# Altium PCB 学习型红外转发器.PcbDoc (continued)
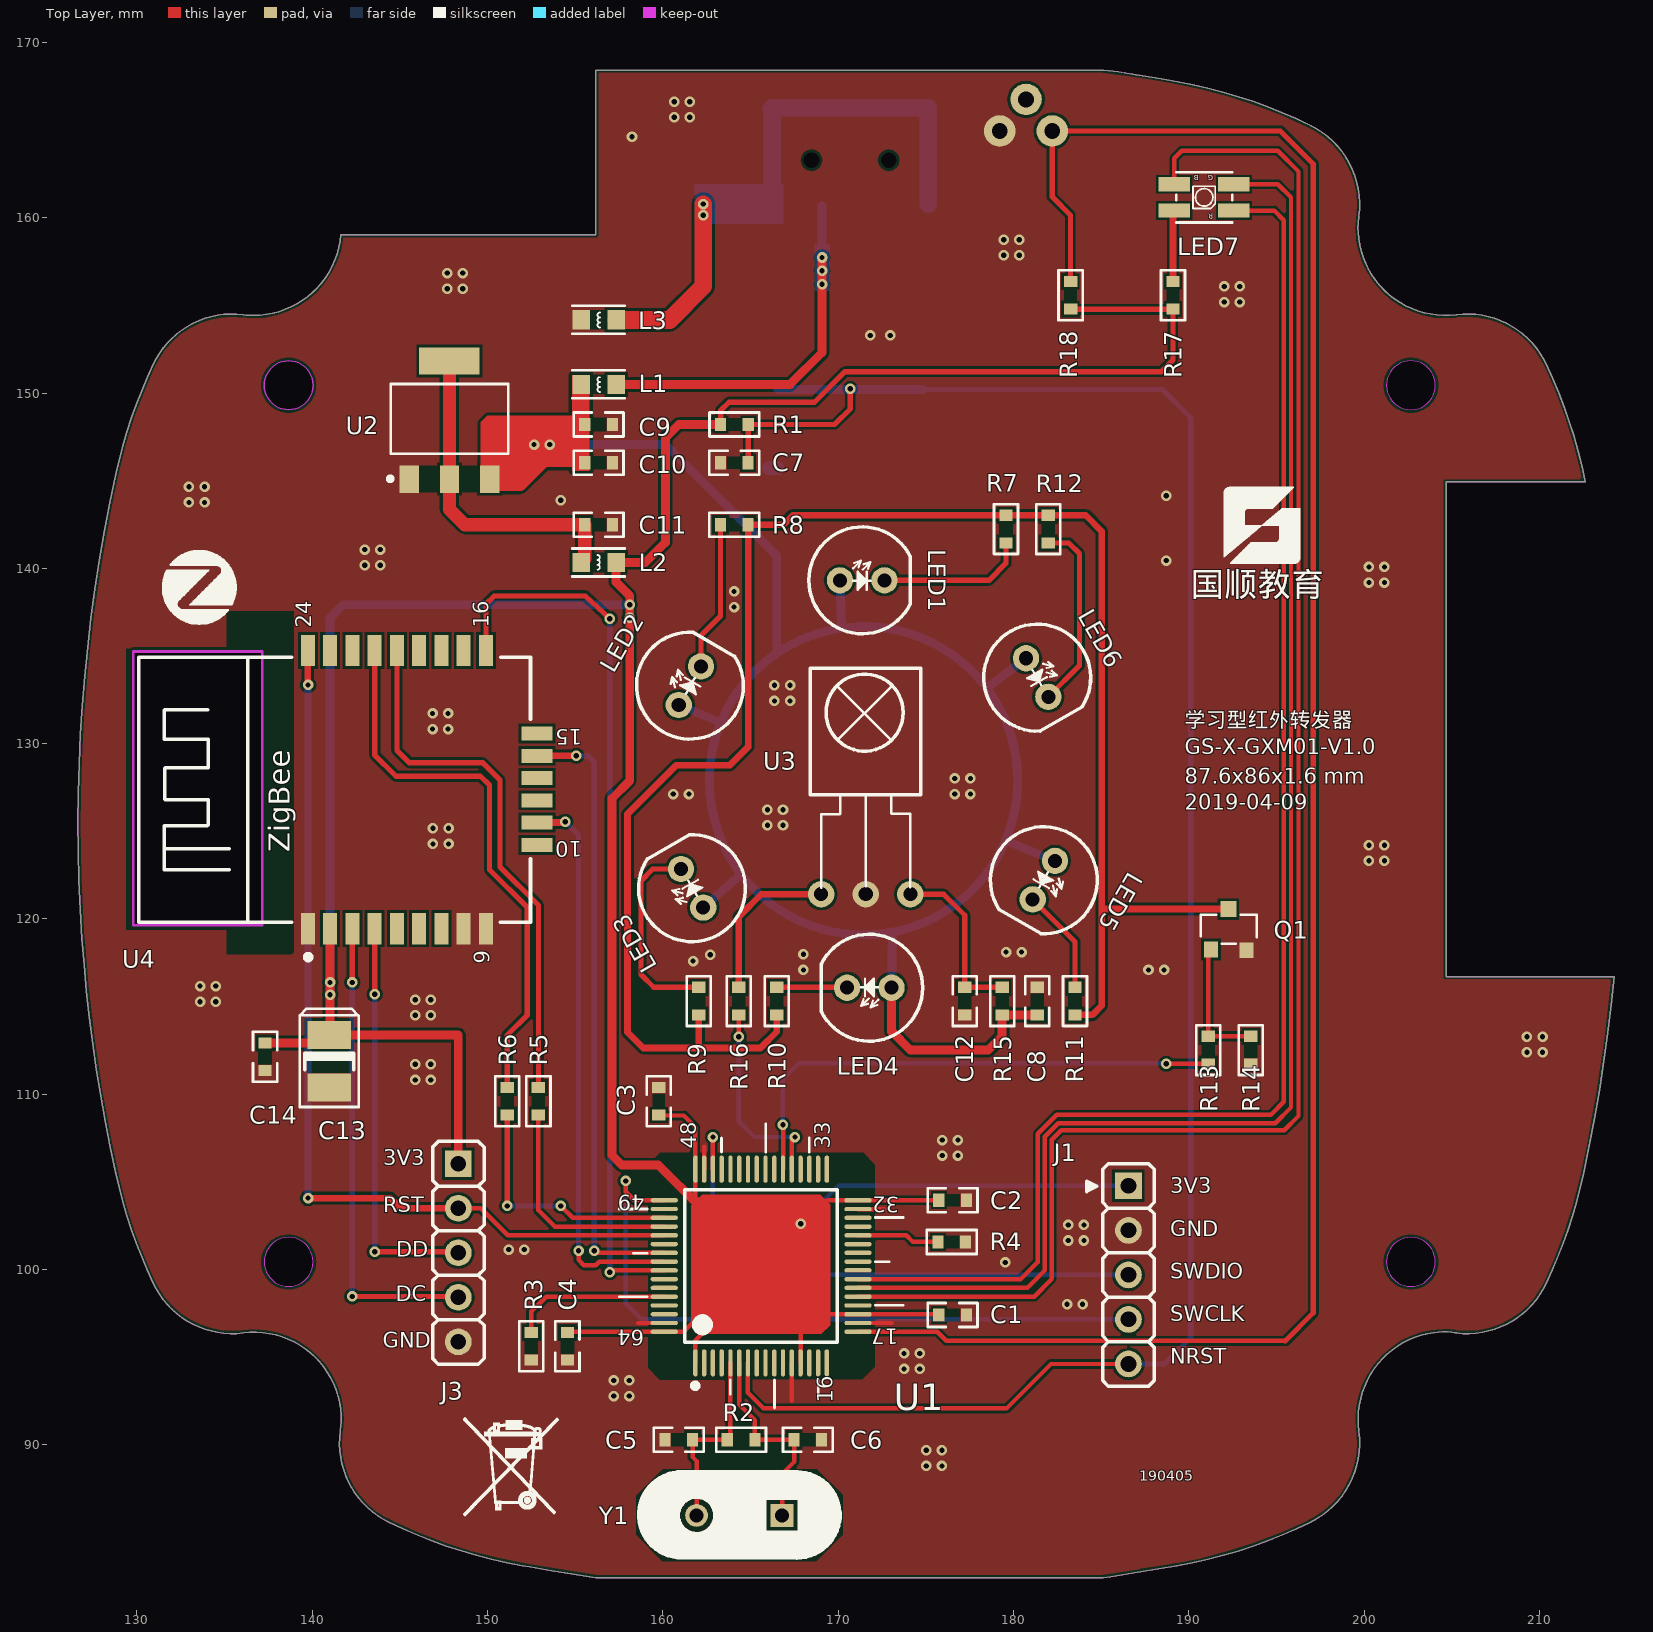
[diagram p0: Top Layer view]
## Footprints (in the part's own frame and the unit in brackets; to place one, negate y for a bottom-side part, rotate by r counter-clockwise, add the part's x,y. Pads: shape width x height; smd on the part's side, far side on the other; paste and mask are expansions set on the pad)
C0603 [mil] "Chip Capacitor, Body"
  rect 25x30 smd: 1(-31,0) 2(31,0)
  Top Layer pour cut-out: -16.73,14.76 -16.73,-14.76 16.73,-14.76 16.73,14.76
  silkscreen extent -56,-27 56,27, body extent -31,-16 32,16, height 31
HDRM-2.54-1*5P-AK [mil] "直插公座,间距2.54,塑高2.5,1*5,立式180度"
  rect 60x60 hole 35: 1(0,0)
  round 60 hole 35: 2(100,0) 3(200,0) 4(300,0) 5(400,0)
  silkscreen extent -50,-94 450,58, body extent -49,-49 451,51, height 336
HDRM-2.54-1*5P-AK1 [mil] "直插?"
  rect 60x60 hole 35: 1(0,0)
  round 60 hole 35: 2(100,0) 3(200,0) 4(300,0) 5(400,0)
  silkscreen extent -50,-58 450,58, body extent -49,-49 451,51, height 336
HS0038-H [mm]
  round 1.5 hole 0.8: 1(0,0) 2(2.54,0) 3(5.08,0)
  silkscreen extent -0.63,0.38 5.68,12.9, body extent -0.47,-0.26 5.53,12.85, height 5.22
IR-F5-V [mm]
  round 1.5 hole 0.8: 1(0,0) 2(2.54,0)
  silkscreen extent -1.77,-3.05 4,3.05, body extent -1.7,-2.97 3.8,3.03, height 8.5
L0805 [mm]
  rect 1x1.1 smd: 1(-1,0) 2(1,0)
  Top Layer pour cut-out: -0.505,0.546 -0.505,-0.546 0.486,-0.546 0.486,0.546
  silkscreen extent -1.5,-0.8 1.5,0.8, body extent -1,-0.6 1,0.6, height 0.9
LED_3528RGB [mm]
  rect 1.8x0.8 smd: 1(-1.7,0.75) 2(1.7,0.75) 3(-1.7,-0.75) 4(1.7,-0.75)
  silkscreen extent -1.6,-1.43 1.6,1.43, body extent -1.74,-1.4 1.76,1.4, height 1.9
LQFP64 [mm] "Thin QFP, 64-Leads, Body 10x10mm, Pitch 0.5mm, IPC High Density"
  oval 1.55x0.25 smd paste+0 mask+0.05: 1(-5.525,3.75) 2(-5.525,3.25) 3(-5.525,2.75) 4(-5.525,2.25) 5(-5.525,1.75) 6(-5.525,1.25) 7(-5.525,0.75) 8(-5.525,0.25) 9(-5.525,-0.25) 10(-5.525,-0.75) 11(-5.525,-1.25) 12(-5.525,-1.75) 13(-5.525,-2.25) 14(-5.525,-2.75) 15(-5.525,-3.25) 16(-5.525,-3.75) 33(5.525,-3.75) 34(5.525,-3.25) 35(5.525,-2.75) 36(5.525,-2.25) 37(5.525,-1.75) 38(5.525,-1.25) 39(5.525,-0.75) 40(5.525,-0.25) 41(5.525,0.25) 42(5.525,0.75) 43(5.525,1.25) 44(5.525,1.75) 45(5.525,2.25) 46(5.525,2.75) 47(5.525,3.25) 48(5.525,3.75)
  oval 0.25x1.55 smd paste+0 mask+0.05: 17(-3.75,-5.525) 18(-3.25,-5.525) 19(-2.75,-5.525) 20(-2.25,-5.525) 21(-1.75,-5.525) 22(-1.25,-5.525) 23(-0.75,-5.525) 24(-0.25,-5.525) 25(0.25,-5.525) 26(0.75,-5.525) 27(1.25,-5.525) 28(1.75,-5.525) 29(2.25,-5.525) 30(2.75,-5.525) 31(3.25,-5.525) 32(3.75,-5.525) 49(3.75,5.525) 50(3.25,5.525) 51(2.75,5.525) 52(2.25,5.525) 53(1.75,5.525) 54(1.25,5.525) 55(0.75,5.525) 56(0.25,5.525) 57(-0.25,5.525) 58(-0.75,5.525) 59(-1.25,5.525) 60(-1.75,5.525) 61(-2.25,5.525) 62(-2.75,5.525) 63(-3.25,5.525) 64(-3.75,5.525)
  Top Layer pour cut-out: -6.477,5.791 -5.817,6.452 5.791,6.452 6.477,5.765 6.477,-5.817 5.791,-6.502 -5.74,-6.502 -6.477,-5.766
  silkscreen extent -8.1,-8.1 8.1,8.1, body extent -5.79,-5.79 5.79,5.79, height 1
MODULE_ZIGBEE_Z-0003 [mil] "蜂汇ZigBee模块"
  rect 70x31.5 smd: 1(-312.5,257.5) 2(-312.5,207.5) 3(-312.5,157.5) 4(-312.5,107.5) 5(-312.5,57.5) 6(-312.5,7.5) 7(-312.5,-42.5) 8(-312.5,-92.5) 9(-312.5,-142.5) 16(312.5,-142.5) 17(312.5,-92.5) 18(312.5,-42.5) 19(312.5,7.5) 20(312.5,57.5) 21(312.5,107.5) 22(312.5,157.5) 23(312.5,207.5) 24(312.5,257.5)
  rect 31.5x70 smd: 10(-124.04,-257.5) 11(-74.04,-257.5) 12(-24.04,-257.5) 13(25.96,-257.5) 14(75.96,-257.5) 15(125.96,-257.5)
  Top Layer pour cut-out: -314.5,665.5 -314.5,350.5 316.5,350.5 316.5,665.5
  Bottom Layer pour cut-out: -314.5,665.5 -314.5,350.5 316.5,350.5 316.5,665.5
  silkscreen extent -382,-243 298,638, body extent -297,-238 297,640, height 71
R0603 [mil]
  rect 25x30 smd: 1(-31,0) 2(31,0)
  Top Layer pour cut-out: -16.73,14.76 -16.73,-14.76 16.73,-14.76 16.73,14.76
  silkscreen extent -56,-27 56,27, body extent -32,-16 34,16, height 22
SOT23 [mm]
  rect 0.9x0.8 smd: 1(1.131,-1.019) 2(1.173,1.019)
  rect 0.9x0.9 smd: 3(-1.173,-0.019)
  silkscreen extent -0.84,-1.6 0.81,1.6, body extent -1.17,-1.46 1.17,1.46, height 1
SOT-223 [mm]
  rect 1.1x1.55 smd: 1(-2.3,-3.375) 2(0,-3.375) 3(2.3,-3.375)
  rect 3.45x1.55 smd: 4(0,3.375)
  Top Layer pour cut-out: -1.727,-2.603 -1.727,-4.115 -0.584,-4.115 -0.584,-2.603
  Top Layer pour cut-out: 0.584,-2.603 0.584,-4.115 1.727,-4.115 1.727,-2.603
  silkscreen extent -3.5,-3.48 3.35,2.06, body extent -3.22,-3.57 3.28,3.36, height 1.59
SW2-4.5*4.5*4.8MM-Side-BK [mm] "4.5X4.5mm,侧按3P,黑色"
  round 1.8 hole 0.9: 1(-1.5,1.8) 2(1.5,1.8) 3(0,0)
  silkscreen extent -2.62,-0.03 2.65,3.05, body extent -2.26,-2.02 2.24,2.78, height 4.75
SW2-6.0X6.0X4.3-R-SMD [mm] "6X6X4.3按键，红色，贴片"
  rect 1.8x1.4 smd: 1(-4.13,2.245) 2(-4.13,-2.245) 3(4.13,2.245) 4(4.13,-2.245)
  silkscreen extent -3,-3 3,3, body extent -4.51,-3.1 4.49,3.1, height 4.35
TC3528X21B [mm] "Chip Capacitor, Body 3."
  rect 1.6x2.5 smd: 1(-1.499,0) 2(1.499,0)
  Top Layer pour cut-out: -0.66,1.245 -0.66,-1.245 0.66,-1.245 0.66,1.245
  silkscreen extent -3,-1.68 2.62,1.68, body extent -1.79,-1.38 1.71,1.42, height 1.9
"USB MINI/SM0.8-6H5" [mm] "Connector; USB2.0, Type B, SM; 5 Positio"
  rect 0.5x2.3 smd: 1(-1.6,2.8) 2(-0.8,2.8) 3(0,2.8) 4(0.8,2.8) 5(1.6,2.8)
  rect 2x2.5 smd: 6(-4.45,-2.8) 7(-4.45,2.7) 8(4.45,-2.8) 9(4.45,2.7)
  round 0.6 hole 0.9 unplated: MH1(-2.2,0.2) MH2(2.2,0.2)
  silkscreen extent -4.95,-5.75 4.95,4.72, body extent -5.03,-5.69 4.97,3.51, height 3.62
X_HC49-S [mm] "直插HC-49S"
  rect 1.3x1.3 hole 0.8: 1(0,0)
  round 1.3 hole 0.8: 2(4.88,0)
  Top Layer pour cut-out: -1.956,2.616 -3.454,1.118 -3.454,-1.168 -1.981,-2.642 6.807,-2.642 8.331,-1.118 8.331,1.118 6.833,2.616
  silkscreen extent -3.28,-2.49 8.15,2.44, body extent -3.27,-2.37 8.08,2.28, height 3.6

## Part data
C1 C2 C3 C4 C10 C11 C12: library part 100nF_50V_0603, "Capacitor", 物料名称=贴片电容, 编码=无, 规格/型号=100nF,50V,0603
C5 C6: library part 20pF_50V_0603, "Capacitor", 物料名称=贴片电容, 编码=无, 规格/型号=20pF,50V,0603
C7: library part 10nF_16V_0603, "Capacitor", 物料名称=贴片电容, 编码=无, 规格/型号=10nF,16V,0603
C8 C9: library part 10uF_16V_0603, "Capacitor", 物料名称=贴片电容, 编码=无, 规格/型号=10uF,16V,0603
C13: library part CAPC-10uF/25V_3528B, "钽电容,10uF/25V-3528B", 物料名称=贴片钽电容, 编码=1010202012, 规格/型号=钽电容,10uF,25V,3528,B型
C14: library part 1nF_50V_0603, "Capacitor", 物料名称=贴片电容, 编码=无, 规格/型号=1nF,50V,0603
J1 J3: "排针,直"
  J3: 物料名称=排针, 规格/型号=排针,间距2.54,1*5P,180°直插
J2: library part USB-mini-5PF, "mini-USB 5PF USB 母座", 供应商=https://item.taobao.com/item.htm?id=42475441054&ali_refid=a3_420434_1006:1104662507:N:usb+mini:d1ba3785cc0cd36a97b12c38263ecbb3&ali_trackid=1_d1ba3785cc0cd36a97b12c38263ecbb3&spm=a230r.1.1957635.13, 单价=0.1, 物料名称=USB接口, 规格/型号="mini-USB 5PF,贴片T型,USB 母座,USB-5002"
L1 L2 L3: library part BEAD-742792042_0805, "WE-CBF,600@100M,500Ohm,200mA,0805,742792042", 单价=0.04, 品牌=WE, 物料名称=贴片磁珠, 规格/型号=WE-CBF,磁珠,600@100M，500Ohm,200mA,0805,742792042
LED1 LED2 LED3 LED4 LED5 LED6: library part LED-IR_F5, "红外发射", 物料名称=直插二极管, 规格/型号=F5,圆头,红外发射
LED7: library part RGB_3528, "3528,LED RGB", 供应商=https://detail.tmall.com/item.htm?id=569373898165&ali_refid=a3_430583_1006:1110290364:N:LED%20RGB%203528:b82c81972ee6bbf0f7d8655d7a2e02d6&ali_trackid=1_b82c81972ee6bbf0f7d8655d7a2e02d6&spm=a230r.1.14.1, 单价=0.125, 参数="R:2.0-2.2  G:3.0-3.2 B:3.0-3.2", 物料名称=贴片发光二极管, 规格/型号=3528贴片LED红蓝绿三色七彩雾状灯珠,20mA
Q1: library part NPN_8050(J3Y)_SOT23, "NPN,8050,SOT23", 物料名称=贴片三极管, 编码=1010401001, 规格/型号=NPN,8050,标字J3Y,SOT23
R1 R3 R4 R18: library part 10K_5%_0603, "10K,±5%,0603", 单价=0.02, 物料名称=贴片电阻, 规格/型号=10K,±5%,0603
  R3 R4: 参数=±5%
R2: library part 1M_5%_0603, "1M,±5%,0603", 单价=0.02, 参数=±5%, 物料名称=贴片电阻, 规格/型号=1M,±5%,0603
R5 R6 R13: library part 1K_5%_0603, "1K,±5%,0603", 单价=0.02, 物料名称=贴片电阻, 编码=1010101190, 规格/型号=1K,±5%,0603
  R5 R6: 参数=±5%
R7 R8 R9 R10 R11 R12: library part 51Ω_5%_0603, "51Ω,±5%,0603"
R14: library part 5K_5%_0603, "5K,±5%,0603", 单价=0.02, 物料名称=贴片电阻, 规格/型号=5K,±5%,0603
R15 R16 R17: library part 300Ω_5%_0603, "300Ω,±5%,0603", 单价=0.02, 物料名称=贴片电阻, 规格/型号=300Ω,±5%,0603
  R15 R16: 参数=±5%
S1: library part SW-PB_6X6X4.3-4P-R-SMD, "6X6X4.3,红,贴片"
S2: library part SW-PB_4.5X4.5X4.8-3P-SIDE-BK, "4.5X4.5X4.8,侧按3P,黑"
U1: library part STM32F103RCT6-LQFP64_1, "ARM Cortex-M3 32-bit MCU, 256 KB Flash, 48 KB Internal RAM, 51 I/Os, 64-pin LQFP, -40 to 85 degC, Tray", 物料名称=贴片芯片, 编码=1010501255, 规格/型号=STM32F103RCT6,LQFP64
U2: library part AMS1117-3.3V_SOT223, "三端稳压器", 单价=0.18, 物料名称=贴片稳压芯片, 编码=1010402018, 规格/型号=AMS1117-3.3,SOT-223
U3: "一体红外接收头", 供应商=https://item.taobao.com/item.htm?spm=a1z09.2.0.0.2a4e7746xLRNWW&id=522575401769&_u=p65bp1a427f, 物料名称=一体红外接收头, 编码=1012001008, 规格/型号=HS0038,一体红外接收头,小圆头,2.5MM,黑色,3脚
U4: library part Module_ZigBee_Z-0003, "zigbee模块"
Y1: library part CRYSTAL_8M_HC49S, "8MHz,HC-49S"

## Via types
v1: diameter 0.6, hole 0.3, Top Layer to Bottom Layer, tented both sides, 144 vias

## Nets (pads, with @x,y where several pads share a name; then routed paths per layer and width w, separated by ;. In a path a pad name is that pad's centre, name@x,y a point inside that pad or via, vN(x,y) a via of type N, cw(c..) or ccw(c..) an arc to the next point about the centre after c; other vN are vias at no path point)
+3V3: C1.1 C2.2 C3.2 C4.2 C13.1 C14.1 J1.1 J3.1 L2.2 R1.1 R17.1 R18.1 U1.1 U1.13 U1.19 U1.32 U1.48 U1.64 U4.2 | length 206.4
  Top Layer w0.254: C4.2@154.594,96.453 U1.64 161.182,96.453 161.871,97.142 ; C3.2@159.714,108.788 161.198,108.788 161.858,108.128 U1.48 161.858,104.14 162.239,103.759 ; U1.1 161.858,95.951 162.427,96.52 ; U1.13 167.858,96.852 ; 168.91,97.453 U1.19 175.66,97.453 C1.1@175.743,97.536 ; 169.062,103.645 169.37,103.953 U1.32 171.142,103.962 C2.2
  Top Layer w0.3: C4.2 C4.2@154.594,96.453 ; R1.1 163.3,149.009 163.77,149.479 168.656,149.479 170.4,151.223 188.434,151.223 189.103,151.892 R17.1 R18.1
  Top Layer w0.5: C14.1 140.513,112.928 C13.1 ; U4.2 v1(141.021,116.383) v1(141.021,115.672) 141.021,113.437 C13.1 ; J3.1 148.336,113.386 C13.1 ; 162.128,103.581 159.741,105.969 157.658,105.969 157.099,106.528 157.099,126.873 158.115,127.889 v1(158.115,137.182) v1(158.115,137.922) 158.115,138.43 157.337,139.208 L2.2 159.004,140.335 160.147,141.478 160.147,147.447 160.909,148.209 R1.1
  Bottom Layer w0.254: v1(167.869,102.616) 170.028,104.775 J1.1
  Bottom Layer w0.5: v1(141.021,115.672) v1(141.021,116.383) 141.021,137.186 141.757,137.922 v1(158.115,137.922) v1(158.115,137.182)
+5V: C8.1 C9.1 C10.1 L1.2 LED1.1 LED2.1 LED3.1 LED4.1 LED5.1 LED6.1 R15.2 U2.3 | length 116
  Top Layer w0.5: U2.3 150.563,144.653 151.892,144.653 153.26,146.021 C10.1 C9.1 ; L1.2 L1.2@155.55,150.282 ; LED4.1 173.05,113.589 174.117,112.522 178.562,112.522 179.354,113.314 R15.2 C8.1
  Bottom Layer w0.5: v1(152.654,147.066) 160.147,147.066 166.497,140.716 166.497,135.154 ; LED2.1 163.304,131.198 ; LED3.1 164.462,122.553 ; 166.497,135.128 166.497,135.154 ; LED1.1 170.189,136.59 ; LED4.1 173.101,119.253 ; LED6.1 178.484,133.164 ; LED5.1 179.551,124.471 ; 163.304,131.198 cw(c171.45,127.889) 166.497,135.154 ; 163.304,131.198 ccw(c171.45,127.889) 164.462,122.553 ; 164.462,122.553 ccw(c171.45,127.889) 173.101,119.253 ; 166.497,135.154 cw(c171.45,127.889) 170.189,136.59 ; 170.189,136.59 cw(c171.45,127.889) 178.484,133.164 ; 173.101,119.253 ccw(c171.45,127.889) 179.551,124.471 ; 178.484,133.164 cw(c171.45,127.889) 180.242,127.889 cw(c171.45,127.889) 179.551,124.471
  other v1: 153.543,147.066
BOOT0: R3.1 U1.60 | length 9.1
  Top Layer w0.254: R3.1 152.502,97.612 153.342,98.453 U1.60
BOOT1: R4.1 U1.28 | length 4.7
  Top Layer w0.254: U1.28 173.891,101.953 174.269,101.575 R4.1
GND: C1.2 C2.1 C3.1 C4.1 C5.2 C6.2 C7.1 C8.2 C9.2 C10.2 C11.2 C12.2 C13.2 C14.2 J1.2 J2.5 J3.5 L3.2 Q1.2 R3.2 R4.2 R14.2 S1.2 S1.4 S2.1 U1.12 U1.18 U1.31 U1.47 U1.63 U2.1 U3.2 U4.1 U4.8 U4.9 | length 9.3
  Top Layer w0.254: 158.596,96.953 U1.63 ; U1.47 162.358,107.017 ; 167.358,92.507 U1.12 ; U1.18 173.049,96.953 ; U1.31 172.617,103.453
  Top Layer w0.762: S2.1@179.221,164.616 S2.1
  Bottom Layer w0.508: S1.4 S1.4@166.624,145.644
  Bottom Layer w0.762: S1.4@166.03,145.71 S1.4
  other v1: 175.031,88.798 175.92,88.798 175.031,89.687 175.92,89.687 157.201,92.786 158.09,92.786 157.201,93.675 158.09,93.675 173.761,94.33 174.65,94.33 173.761,95.219 174.65,95.219 183.058,98.019 183.947,98.019 179.527,100.406 151.206,101.143 152.095,101.143 183.134,101.659 184.023,101.659 183.134,102.548 184.023,102.548 175.946,106.502 176.835,106.502 175.946,107.391 176.835,107.391 145.872,110.82 146.761,110.82 145.872,111.709 146.761,111.709 209.296,112.395 210.185,112.395 209.296,113.284 210.185,113.284 145.872,114.503 146.761,114.503 133.604,115.283 134.493,115.283 145.872,115.392 146.761,115.392 133.604,116.172 134.493,116.172 168.021,117.094 187.706,117.094 188.595,117.094 161.724,117.602 162.712,117.958 168.021,117.983 179.578,118.11 180.467,118.11 200.279,123.317 201.168,123.317 200.279,124.206 201.168,124.206 146.888,124.282 147.777,124.282 146.888,125.171 147.777,125.171 165.967,125.349 166.856,125.349 165.967,126.238 166.856,126.238 160.602,127.127 161.491,127.127 176.657,127.127 177.546,127.127 176.657,128.016 177.546,128.016 146.863,130.835 147.752,130.835 146.863,131.724 147.752,131.724 166.37,132.439 167.259,132.439 166.37,133.328 167.259,133.328 164.065,137.795 164.065,138.684 200.279,139.192 201.168,139.192 200.279,140.081 201.168,140.081 142.998,140.183 143.887,140.183 188.722,140.448 142.998,141.072 143.887,141.072 132.969,143.764 133.858,143.764 154.178,143.891 188.722,144.145 132.969,144.653 133.858,144.653 171.831,153.289 172.974,153.289 192.024,155.194 192.913,155.194 147.701,155.956 148.59,155.956 192.024,156.083 192.913,156.083 147.701,156.845 148.59,156.845 179.451,157.861 180.34,157.861 179.451,158.75 180.34,158.75 158.242,164.616 160.655,165.735 161.544,165.735 160.655,166.624 161.544,166.624
IR-RX: R16.1 U1.37 | length 11.6
  Top Layer w0.254: v1(164.338,113.284) R16.1 ; U1.37 167.358,107.382 v1(167.538,107.562)
  Bottom Layer w0.254: v1(164.338,113.284) 164.338,108.458 165.234,107.562 v1(167.538,107.562)
IR-TX: R13.1 U1.38 | length 29.8
  Top Layer w0.254: v1(166.853,108.255) 166.858,108.249 U1.38 ; v1(188.722,111.735) R13.1
  Bottom Layer w0.254: v1(166.853,108.255) 166.853,110.871 167.742,111.76 v1@188.722,111.76
KEY: R18.2 S2.2 U1.17 | length 117.1
  Top Layer w0.254: U1.17 175.647,96.453 176.165,95.936 195.504,95.936
  Top Layer w0.3: R18.2 183.261,160.147 182.221,161.187 S2.2 195.221,164.951 197.104,163.068 197.104,97.536 195.504,95.936
LED_B: LED7.4 U1.21 | length 97.2
  Top Layer w0.254: U1.21 181.181,98.453 182.194,99.466 182.194,107.401 182.733,107.94 195.443,107.94 196.263,108.76 196.263,162.639 195.072,163.83 189.611,163.83 189.181,163.4 LED7.4
LED_G: LED7.3 U1.22 | length 88.9
  Top Layer w0.254: U1.22 180.792,98.953 181.788,99.949 181.788,107.569 182.565,108.346 194.93,108.346 195.834,109.25 195.834,161.163 195.084,161.913 LED7.3
LED_R: LED7.1 U1.23 | length 86.1
  Top Layer w0.254: U1.23 180.404,99.453 181.381,100.43 181.381,107.747 182.474,108.839 194.691,108.839 195.428,109.576 195.428,159.861 194.876,160.413 LED7.1
NetC5_1: C5.1 R2.2 U1.5 Y1.2 | length 10.8
  Top Layer w0.254: Y1.2 161.925,89.081 161.696,89.309 C5.1 R2.2 163.858,90.477 U1.5
NetC6_1: C6.1 R2.1 U1.6 Y1.1 | length 11.6
  Top Layer w0.254: U1.6 164.358,92.309 165.252,91.415 R2.1 C6.1 167.488,89.027 166.805,88.344 Y1.1
NetC11_1: C11.1 L2.1 U2.2 U2.4 | length 18.8
  Top Layer w0.762: U2.4 U2.2 147.828,143.377 148.711,142.494 C11.1 155.55,140.548 L2.1
NetC12_1: C12.1 R15.1 U3.3 | length 9.8
  Top Layer w0.3: U3.3 176.022,121.412 177.225,120.209 C12.1 R15.1
NetJ2_1: J2.1 L1.1 | length 20.9
  Top Layer w0.5: L1.1 167.259,150.495 169.083,152.319 v1(169.083,157.734)
  Bottom Layer w0.5: v1(169.083,157.734) J2.1
  other v1: 169.083,156.21 169.083,156.972
NetJ2_6: J2.6 J2.7 J2.8 J2.9 L3.1 | length 30.4
  Top Layer w1: L3.1@157.353,154.169 160.392,154.169 162.306,156.083 v1(162.306,160.147) v1(162.306,160.782)
  Bottom Layer w1: J2.6@166.186,166.227 J2.6@166.233,166.274 ; J2.7 J2.6@166.233,166.274 ; J2.6 J2.6@166.233,166.274 ; J2.9@175.138,160.779 175.138,166.279 166.238,166.279 J2.6@166.233,166.274
NetLED1_2: LED1.2 R7.2 | length 8.5
  Top Layer w0.3: LED1.2 178.6,139.319 179.578,140.297 R7.2
NetLED2_2: LED2.2 R8.2 | length 8.5
  Top Layer w0.3: LED2.2 162.179,136.173 163.293,137.287 R8.2
NetLED3_2: LED3.2 R9.2 | length 11.5
  Top Layer w0.3: LED3.2 159.426,122.85 158.75,122.174 158.75,116.84 159.487,116.103 R9.2
NetLED4_2: LED4.2 R10.2 | length 4
  Top Layer w0.3: R10.2 170.485,116.103 LED4.2
NetLED5_2: LED5.2 R11.2 | length 6
  Top Layer w0.3: LED5.2 183.515,118.704 R11.2
NetLED6_2: LED6.2 R12.2 | length 10.9
  Top Layer w0.3: LED6.2 183.769,134.452 183.769,140.843 183.159,141.453 R12.2
NetLED7_2: LED7.2 R17.2 | length 3.8
  Top Layer w0.381: R17.2@189.103,156.6 LED7.2@189.103,160.401
NetQ1_1: Q1.1 R13.2 R14.1 | length 7.4
  Top Layer w0.254: Q1.1 191.117,118.113 R13.2 R14.1
NetQ1_3: Q1.3 R7.1 R8.1 R9.1 R10.1 R11.1 R12.1 | length 102.4
  Top Layer w0.381: 162.052,112.776 R9.1 ; R10.1 166.497,113.563 165.575,112.641 158.885,112.641 157.988,113.538 157.988,125.984 160.782,128.778 163.833,128.778 164.868,129.813 R8.1 166.878,142.494 167.411,143.027 R7.1 R12.1 184.125,143.027 185.039,142.113 185.039,120.523 ; R11.1 184.506,114.529 185.039,115.062 185.039,120.523 ; Q1.3 185.081,120.565 185.039,120.523
NetR16_2: R16.2 U3.1 | length 9.3
  Top Layer w0.381: R16.2 164.338,120.131 165.619,121.412 U3.1
NRST: C7.2 J1.5 R1.2 S1.1 S1.3 U1.7 | length 115.2
  Top Layer w0.254: U1.7 164.858,92.977 165.735,92.1 179.629,92.1 182.143,94.615 J1.5
  Top Layer w0.3: C7.2 164.875,146.027 R1.2 169.799,148.209 170.692,149.102 v1(170.692,150.241)
  Bottom Layer w0.3: S1.1 188.509,150.2 190.119,148.59 190.119,96.114 188.62,94.615 J1.5
  Bottom Layer w0.508: S1.3 S1.1
P0.2: R6.1 U4.21 | length 31.8
  Top Layer w0.3: U4.21 143.561,129.362 144.78,128.143 149.606,128.143 150.114,127.635 150.114,122.809 152.273,120.65 152.273,114.529 151.126,113.381 R6.1
P0.3: R5.1 U4.20 | length 30.7
  Top Layer w0.3: U4.20 144.831,129.616 145.542,128.905 149.733,128.905 150.71,127.928 150.71,122.975 152.904,120.781 R5.1
P0.7: U1.57 U4.16 | length 50.9
  Top Layer w0.254: v1@156.972,99.898 157.027,99.953 U1.57
  Top Layer w0.3: U4.16 149.911,137.959 150.382,138.43 155.572,138.43 v1(156.972,137.131) ; U4.16@149.923,135.299 U4.16@150.006,135.382
  Bottom Layer w0.3: v1@156.972,99.898 v1(156.972,137.131)
  other v1: 156.972,99.847
P1.1: U1.55 U4.14 | length 35.3
  Top Layer w0.254: v1(156.083,101.073) 156.203,100.953 U1.55
  Top Layer w0.381: U4.14 v1(155.067,129.31)
  Bottom Layer w0.3: v1(155.067,129.31) 155.728,129.31 156.083,128.956 v1(156.083,101.073)
P1.4: U1.56 U4.11 | length 32
  Top Layer w0.254: v1(155.194,101.073) 155.194,100.557 155.497,100.254 156.172,100.254 156.371,100.452 U1.56@160.058,100.452
  Top Layer w0.381: U4.11 154.38,125.5 v1(154.432,125.552)
  Bottom Layer w0.3: v1(154.432,125.552) 155.194,124.79 v1(155.194,101.073)
P2.1: J3.3 U4.4 | length 23.2
  Top Layer w0.3: v1(143.561,101.023) 148.27,101.023 J3.3 ; v1(143.561,115.709) U4.4
  Bottom Layer w0.3: v1(143.561,101.023) v1(143.561,115.709)
P2.2: J3.4 U4.3 | length 27
  Top Layer w0.3: v1(142.291,98.468) 148.285,98.468 J3.4 ; v1(142.291,116.383) U4.3
  Bottom Layer w0.3: v1(142.291,98.468) v1(142.291,116.383)
SWCLK: J1.4 U1.49 | length 39.1
  Top Layer w0.254: v1(157.886,105.054) 157.886,104.44 158.374,103.953 U1.49
  Bottom Layer w0.254: v1(157.886,105.054) 157.886,98.069 158.801,97.155 J1.4
SWDIO: J1.3 U1.46 | length 32.9
  Top Layer w0.254: U1.46 v1(162.858,107.562)
  Bottom Layer w0.254: v1(162.858,107.562) 162.858,100.616 163.779,99.695 J1.3
Zigbee-RST: J3.2 U1.53 U4.24 | length 52.4
  Top Layer w0.254: J3.2 149.614,103.497 151.158,101.953 U1.53
  Top Layer w0.381: U4.24 139.751,133.362 v1(139.763,133.35) ; v1(139.763,104.076) 144.463,104.076 145.042,103.497 J3.2
  Bottom Layer w0.381: v1(139.763,104.076) v1(139.763,133.35)
Zigbee-RX: R6.2 U1.51 | length 14.4
  Top Layer w0.254: v1(154.178,103.632) 154.857,102.953 U1.51
  Top Layer w0.3: v1(151.126,103.632) R6.2
  Bottom Layer w0.3: v1(151.126,103.632) v1(154.178,103.632)
Zigbee-TX: R5.2 U1.52 | length 13
  Top Layer w0.254: R5.2 152.904,103.382 153.833,102.453 U1.52
pads on no net: J2.2 J2.3 J2.4 J2.MH1 J2.MH2 S2.3 U1.2 U1.3 U1.4 U1.8 U1.9 U1.10 U1.11 U1.14 U1.15 U1.16 U1.20 U1.24 U1.25 U1.26 U1.27 U1.29 U1.30 U1.33 U1.34 U1.35 U1.36 U1.39 U1.40 U1.41 U1.42 U1.43 U1.44 U1.45 U1.50 U1.54 U1.58 U1.59 U1.61 U1.62 U4.5 U4.6 U4.7 U4.10 U4.12 U4.13 U4.15 U4.17 U4.18 U4.19 U4.22 U4.23

## Polygon pours and split planes (outlines as drawn)
GND on Top Layer "Top Layer-GND" (solid, remove dead copper, pour order 0): 131.965,168.429 207.899,169.291 215.519,161.671 215.519,100.838 197.104,82.423 140.081,82.423 124.968,97.536 124.968,152.4 125.857,154.45
GND on Bottom Layer "Bottom Layer-GND" (solid, remove dead copper, pour order 2): 124.841,170.688 209.804,170.688 217.297,163.195 217.297,95.758 203.962,82.423 140.843,82.423 140.843,83.058 121.92,101.981 121.92,129.31

## Keep-outs
Keep-Out Layer:
  lines w0.013: 189.335,83.094 ccw(c184.182,111.652) 196.959,85.597 ccw(c194.725,90.103) 199.71,90.769 cw(c204.652,91.459) 203.989,96.404 cw(c204.602,91.916) 204.499,96.445 cw(c204.587,92.53) 205.014,96.423 cw(c204.606,92.742) 205.275,96.384 ccw(c205.879,101.344) 210.397,99.21 ccw(c184.548,111.487) 212.528,105.488 ccw(c120.692,125.43) 214.263,116.705 214.264,116.718 204.684,116.718 204.684,144.935 212.626,144.936 ccw(c184.197,139.221) 210.397,151.649 ccw(c205.879,149.515) 205.275,154.474 cw(c204.658,159.441) 199.69,158.835 cw(c204.386,159.412) 199.655,159.469 cw(c203.851,159.415) 199.677,159.844 cw(c203.483,159.451) 199.71,160.09 ccw(c194.725,160.756) 196.959,165.262 ccw(c184.024,138.847) 189.343,167.774 188.923,167.848 188.083,167.993 186.818,168.194 ccw(c176.162,97.681) 185.121,168.429 156.184,168.429 156.184,159.032 141.635,159.032 cw(c136.647,159.439) 136.249,154.45 136.056,154.474 ccw(c135.451,149.515) 130.934,151.649 ccw(c157.135,139.22) 128.796,145.374 ccw(c219.949,125.414) 126.866,118.872 ccw(c218.103,125.194) 128.796,105.485 ccw(c157.137,111.639) 130.934,99.21 ccw(c135.451,101.344) 136.056,96.384 cw(c136.691,91.467) 141.615,92.049 cw(c137.011,91.478) 141.628,91.026 cw(c137.235,91.465) 141.595,90.769 ccw(c146.562,90.104) 144.372,85.597 ccw(c156.913,111.104) 151.988,83.11 152.409,83.035 153.672,82.82 154.931,82.618 156.184,82.429 185.121,82.429 185.544,82.491 187.235,82.751 ccw(c169.419,193.665) 189.343,83.11 ; 137.256,100.437 cw(c138.653,100.437) 138.654,101.834 cw(c138.654,100.437) 140.051,100.437 cw(c138.654,100.437) 138.654,99.04 cw(c138.653,100.437) 137.256,100.437 ; 137.256,150.447 ccw(c138.653,150.447) 138.654,149.05 ccw(c138.654,150.447) 140.051,150.447 ccw(c138.654,150.447) 138.654,151.844 ccw(c138.653,150.447) 137.256,150.447 ; 201.279,100.437 cw(c202.677,100.437) 202.677,101.834 cw(c202.677,100.437) 204.074,100.437 cw(c202.677,100.437) 202.677,99.04 cw(c202.677,100.437) 201.279,100.437 ; 201.279,150.447 ccw(c202.677,150.447) 202.677,149.05 ccw(c202.677,150.447) 204.074,150.447 ccw(c202.677,150.447) 202.677,151.844 ccw(c202.677,150.447) 201.279,150.447
  lines w0.15: 129.794,119.634 129.794,135.255 137.156,135.255 137.156,119.634 129.794,119.634

## Other copper
Top Layer:
  rectangle net +5V: 154.813,145.542 155.829,151.041
  region net +3V3: 161.617,96.888 161.617,103.645 162.239,104.267 168.977,104.267 169.545,103.699 169.545,96.834 169.043,96.332 162.173,96.332
  region net +5V: 149.606,144.737 149.606,148.336 149.987,148.717 155.448,148.717 155.575,148.59 155.55,148.565 155.55,146.021 153.26,146.021 151.814,144.575
  pour cut-out: 135.128,137.484 135.185,137.541 138.959,137.541 138.959,118.106 138.836,117.983 135.128,117.983
Bottom Layer:
  rectangle net NetJ2_6: 161.798,159.639 166.878,161.925
  rectangle net NetJ2_1: 168.656,155.829 169.545,158.496
  pour cut-out: 135.128,137.541 138.685,137.541 138.685,136.303 138.717,136.271 138.717,118.11 135.128,118.11

## Silkscreen, mask and mechanical layers (free items; w line width, h text height)
Top Overlay:
  drawing of 5855 lines, arcs and shapes, not listed
  text "国顺教育" at 190.128,137.948 h2.4
  text "学习型红外转发器" at 189.771,130.666 h1.5
  text "GS-X-GXM01-V1.0" at 189.771,129.098 h1.5
  text "87.6x86x1.6 mm" at 189.771,127.418 h1.5
  text "2019-04-09" at 189.771,125.941 h1.5
  text "3V3" at 144.047,105.664 h1.5
  text "3V3" at 188.957,104.057 h1.5
  text "RST" at 144.046,102.997 h1.5
  text "GND" at 188.957,101.625 h1.5
  text "DD" at 144.78,100.457 h1.5
  text "SWDIO" at 188.957,99.193 h1.5
  text "DC" at 144.769,97.917 h1.5
  text "SWCLK" at 188.957,96.761 h1.5
  text "GND" at 144.018,95.25 h1.5
  text "NRST" at 188.957,94.329 h1.5
  text "190405" at 187.173,87.757 h1
Mechanical 1:
  lines w0.013: 166.6,168.175 166.6,170.487 166.676,170.537 174.654,170.537 ; 168.201,170.537 174.654,170.537 ; 169.065,159.87 169.065,162.181 ; 169.878,159.87 169.878,162.181 ; 170.665,159.87 170.665,162.181 ; 171.453,159.87 171.453,162.181 ; 172.266,159.87 172.266,162.181 ; 174.654,168.124 174.654,170.537 ; 178.414,161.622 180.675,161.622 182.911,161.622 ; 178.414,163.375 178.414,165.381 179.405,165.381 179.405,166.372 179.405,166.626 181.92,166.626 181.92,166.372 181.92,165.381 182.911,165.381 182.911,163.375 ; 174.654,170.537 166.6,170.537 166.6,163.629 174.654,163.629 174.654,170.537 ; 165.076,160.835 167.464,160.835 167.464,163.222 165.076,163.222 165.076,160.835 ; 165.076,166.042 167.464,166.042 167.464,168.048 165.076,168.048 165.076,166.042 ; 165.406,145.012 167.312,145.012 167.312,146.307 165.406,146.307 165.406,145.012 ; 165.406,149.583 167.312,149.583 167.312,150.879 165.406,150.879 165.406,149.583 ; 167.591,144.834 173.79,144.834 173.79,151.031 167.591,151.031 167.591,144.834 ; 169.065,147.932 ccw(c170.665,147.933) 170.665,146.332 ccw(c170.665,147.933) 172.266,147.932 ccw(c170.665,147.932) 170.665,149.533 ccw(c170.665,147.932) 169.065,147.932 ; 173.866,160.835 176.255,160.835 176.255,163.222 173.866,163.222 173.866,160.835 ; 173.866,166.042 176.255,166.042 176.255,168.048 173.866,168.048 173.866,166.042 ; 174.019,145.012 175.924,145.012 175.924,146.307 174.019,146.307 174.019,145.012 ; 174.019,149.583 175.924,149.583 175.924,150.879 174.019,150.879 174.019,149.583
Mechanical 2:
  text "bottom" at 166.37,164.338 h1
  text "bottom" at 177.165,162.941 h1
  text "bottom" at 166.624,147.32 h1
  text "制板说明：" at 46.015,50.264 h2
  text "1. 电路板边框 画在KeepOut 层" at 48.057,47.346 h2
  text "2. 制板说明放置在Mechanical2 层" at 48.031,44.488 h2
  text "3. V型槽在Mechanical3 层" at 48.031,41.663 h2
  text "4. PCB厂商编号请放置指定位置(GTAGTA)" at 48.031,38.837 h2
Mechanical 16:
  drawing of 3771 lines, arcs and shapes, not listed
  text "1" at 68.427,212.732 h1.78
  text "2" at 141.071,212.732 h1.78
  text "3" at 214.223,212.732 h1.78
  text "4" at 287.121,212.732 h1.78
  text "A" at 34.086,189.72 h1.78
  text "A" at 321.106,189.72 h1.78
  text "B" at 34.086,141.663 h1.78
  text "B" at 321.106,141.663 h1.78
  text "C" at 34.086,93.149 h1.78
  text "C" at 321.106,93.149 h1.78
  text "PCB制板工艺" at 253.009,52.07 h3
  text "GS-X-GXM01" at 184.048,50.927 h4
  text "87.6 x 86" at 241.452,49.022 h2.2
  text "（厂商内部编号请放置指定位置）" at 258.521,49.022 h1.5
  text "板子大小" at 231.877,48.997 h2
  text "（mm）" at 253.39,48.895 h2
  text "学习型红外转发器" at 183.947,46.533 h3.5
  text "0.8" at 243.656,46.066 h2.2
  text "1.0" at 251.962,46.066 h2.2
  text "1.2" at 260.497,46.066 h2.2
  text "1.6" at 269.92,46.077 h2.2
  text "2.0" at 278.962,46.066 h2.2
  text "板子厚度" at 231.877,46.038 h2
  text "☆" at 241.447,45.988 h2
  text "☆" at 249.752,45.988 h2
  text "☆" at 258.287,45.988 h2
  text "★" at 267.645,45.988 h2
  text "☆" at 276.753,45.988 h2
  text "D" at 34.086,45.143 h1.78
  text "D" at 321.106,45.143 h1.78
  text "1" at 243.91,43.143 h2.2
  text "mm" at 276.454,43.116 h2
  text "V1.0" at 192.735,43.053 h2.5
  text "日  期：" at 208.229,43.043 h2
  text "2019-04-09" at 217.322,43.053 h2.5
  text "☆" at 241.447,43.064 h2
  text "★" at 249.767,43.064 h2
  text "版  本：" at 182.88,43.028 h2
  text "板子层数" at 231.877,43.035 h2
  text "2" at 252.21,42.991 h2.2
  text "0.3" at 267.868,43.002 h2.2
  text "最小过孔" at 258.276,42.953 h2
  text "项目名称：" at 182.88,40.31 h2
  text "★单片" at 241.447,40.276 h2
  text "☆连片" at 249.767,40.284 h2
  text "5" at 268.072,40.284 h2.2
  text "mil" at 276.454,40.284 h2
  text "江工物联网" at 192.735,40.259 h2
  text "交货形式" at 231.877,40.26 h2
  text "最小线宽" at 258.276,40.26 h2
  text "☆黑色" at 267.691,37.49 h2
  text "☆白色" at 276.753,37.49 h2
  text "设计组：" at 182.88,37.465 h2
  text "智能实训室产品部" at 192.735,37.465 h2
  text "★绿色" at 241.447,37.441 h2
  text "☆红色" at 249.767,37.441 h2
  text "☆蓝色" at 258.276,37.441 h2
  text "阻焊颜色" at 231.877,37.365 h2
  text "深圳市国顺教育科技" at 286.664,36.703 h3
  text "☆黑色" at 241.447,34.45 h2
  text "★白色" at 249.767,34.434 h2
  text "李剑平" at 192.735,34.417 h2
  text "杨青" at 217.322,34.417 h2
  text "字符颜色" at 231.877,34.418 h2
  text "特殊工艺" at 258.098,34.417 h2
  text "无" at 267.191,34.417 h2
  text "设  计：" at 182.88,34.397 h2
  text "绘  图：" at 208.305,34.382 h2
  text "有限公司" at 286.664,33.655 h3
  text "焊盘喷锡" at 231.877,31.725 h2
  text "批  准：" at 208.305,31.674 h2
  text "★有铅" at 241.396,31.665 h2
  text "☆无铅" at 249.767,31.665 h2
  text "☆沉金" at 258.276,31.681 h2
  text "检  查：" at 182.88,31.648 h2
  text "杨青" at 192.735,31.623 h2
  text "杨青" at 217.322,31.623 h2
  text "中国广东省深圳市南山区桃源街道" at 286.928,31.044 h2
  text "SCH编号：" at 183.032,28.997 h2
  text "打印日期：" at 208.382,28.973 h2
  text "阻焊覆盖" at 231.877,28.931 h2
  text "★过孔盖油" at 241.396,28.871 h2
  text "☆过孔开窗" at 258.276,28.88 h2
  text "190405" at 192.888,28.846 h2.2
  text ".PRINT_DATE" at 218.084,28.849 h2.5
  text "南山智园A4栋1208" at 286.978,28.75 h2
  text "1" at 68.427,24.772 h1.78
  text "2" at 141.071,24.772 h1.78
  text "3" at 214.223,24.772 h1.78
  text "4" at 287.121,24.772 h1.78

## Dimensions
126.619,127 to 214.263,116.705 on Mechanical 2
156.184,82.429 to 156.184,168.429 on Mechanical 2

## Text inside footprints (layer, text, board x,y; h text height)
J2: Mechanical 2 "PCB Edge" at 166.647,168.964 h0.25 r180
LED7: Top Overlay "R" at 191.402,160.227 h0.3 r180; Top Overlay "G" at 191.395,162.439 h0.3 r180; Top Overlay "B" at 190.567,162.439 h0.3 r180
S1: Bottom Overlay "R" at 171.171,147.295 h2
U1: Top Overlay "64" at 158.953,96.85 h1.5 r180; Top Overlay "49" at 158.979,104.546 h1.5 r180; Top Overlay "48" at 162.179,106.883 h1.5 r90; Top Overlay "33" at 169.824,106.883 h1.5 r90; Top Overlay "32" at 173.482,104.445 h1.5 r180; Top Overlay "17" at 173.431,96.901 h1.5 r180; Top Overlay "16" at 169.977,92.405 h1.5 r90
U4: Top Overlay "ZigBee" at 138.71,123.812 h1.2 r90; Top Overlay "9" at 150.406,117.45 h1.5 r90; Top Overlay "10" at 155.41,124.714 h1.5 r180; Top Overlay "15" at 155.41,131.115 h1.5 r180; Top Overlay "16" at 150.356,136.601 h1.5 r90; Top Overlay "24" at 140.221,136.601 h1.5 r90